# KiCad board mtk64_R_rev2.kicad_pcb (continued)
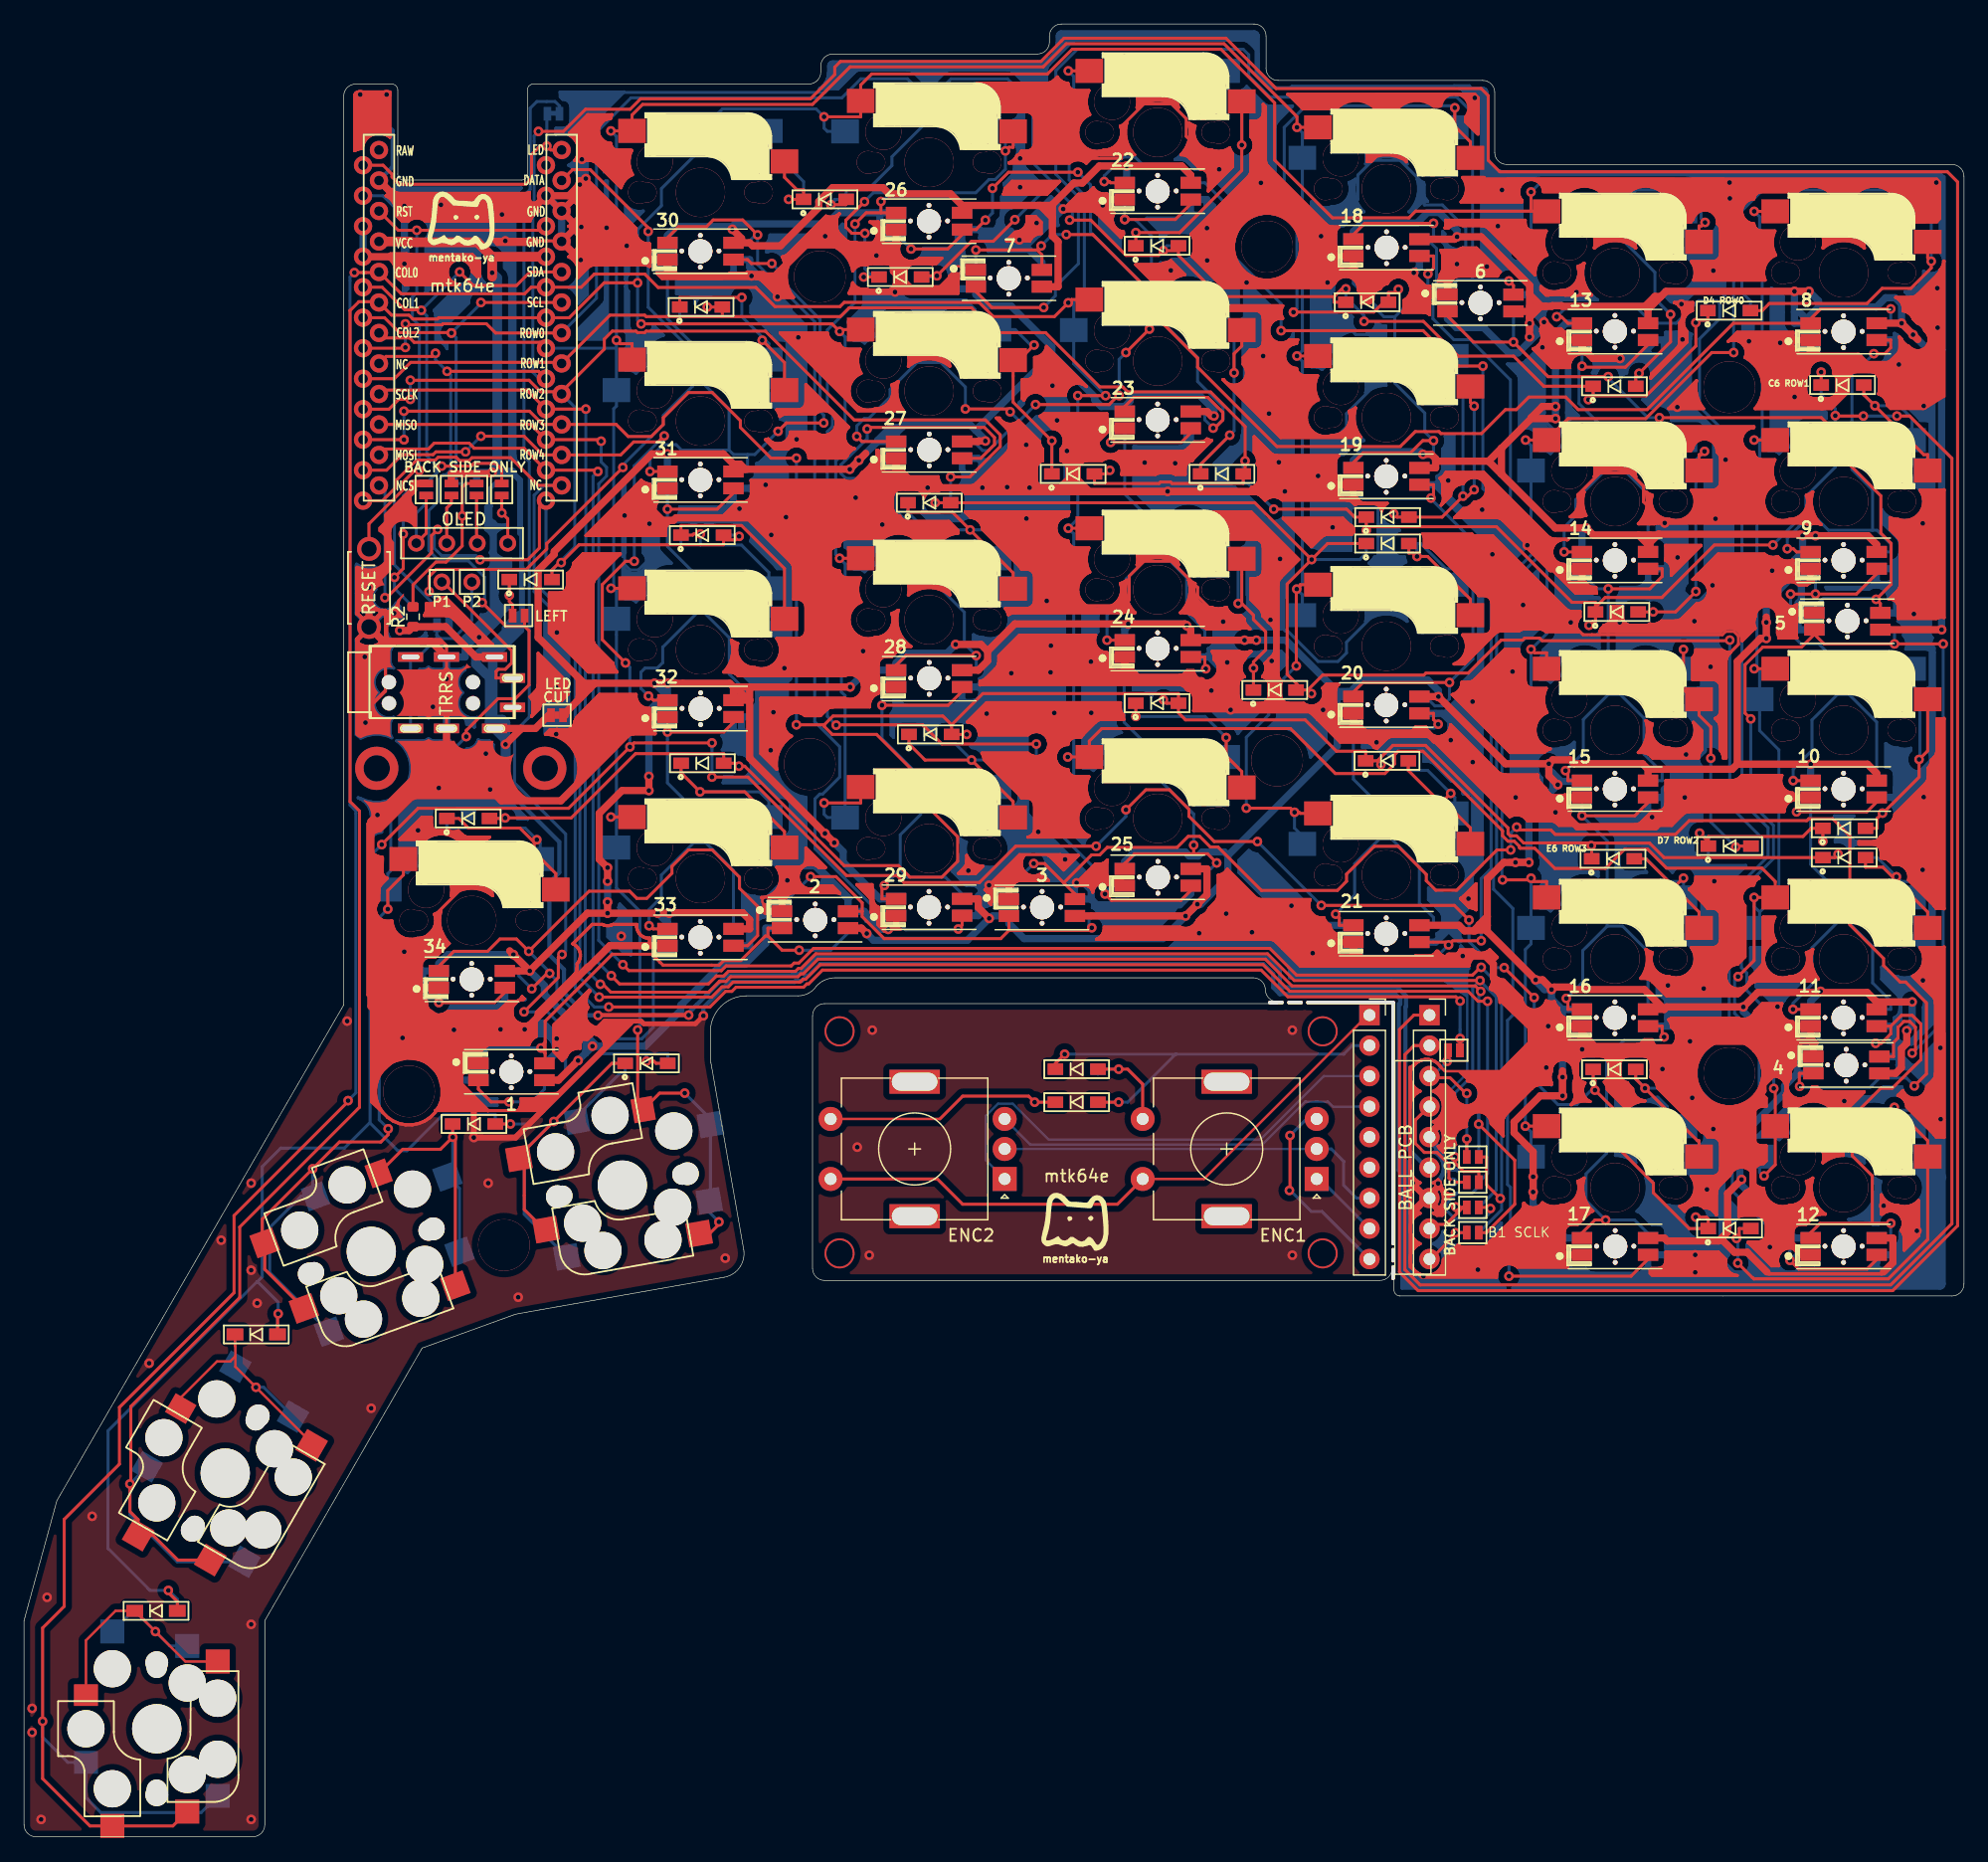
[diagram p0: board, top side]
## Copper pours and planes (outline as drawn; the poured copper is in the pictures) (continued)
GND on Bottom (solid shape): 112.58,128.75 112.68,128.83 112.79,128.89 112.91,128.93 112.99,128.93 113.05,129.05 113.15,129.17 113.26,129.26 113.39,129.33 113.54,129.37 113.58,129.38 113.59,129.4 113.7,129.57 113.85,129.71 114.02,129.82 114.21,129.9 114.41,129.94 114.61,129.94 114.81,129.9 115,129.82 115.17,129.71 115.31,129.57 115.43,129.4 115.5,129.21 115.54,129.01 116.12,129.59 116.05,129.69 115.97,129.88 115.93,130.08 115.93,130.28 115.97,130.48 116.01,130.58 115.97,130.54 115.95,130.54 115.89,130.44 115.8,130.33 115.7,130.24 115.58,130.18 115.45,130.14 115.31,130.13 115.28,130.13 111.74,130.13 111.71,130.13 111.57,130.14 111.52,130.16 111.52,129.7 112.53,128.69
GND on Bottom (solid shape): 29,83.31 29.14,83.45 29.31,83.57 29.5,83.64 29.7,83.68 29.8,83.68 29.8,85.32 29.79,85.36 29.81,85.51 29.85,85.65 29.92,85.78 30.02,85.9 30.05,85.92 30.53,86.4 30.22,86.27 29.67,86.17 29.11,86.17 28.56,86.27 28.05,86.49 27.85,86.62 27.8,86.5 27.85,86.47 28.03,86.47 28.14,86.41 28.4,86.22 28.62,85.98 28.78,85.7 28.89,85.4 28.94,85.15 28.94,85.11 28.95,85.02 28.95,83.23
GND on Bottom (solid shape): 29,83.31 29.14,83.45 29.31,83.57 29.5,83.64 29.7,83.68 29.8,83.68 29.8,85.32 29.79,85.36 29.81,85.51 29.85,85.65 29.92,85.78 30.02,85.9 30.05,85.92 30.53,86.4 30.22,86.27 29.67,86.17 29.11,86.17 28.56,86.27 28.07,86.52 27.82,86.65 27.8,86.55 27.85,86.55 28.14,86.41 28.4,86.22 28.62,85.98 28.78,85.7 28.89,85.4 28.94,85.15 28.94,85.11 28.95,85.02 28.95,83.23
GND on Bottom (solid shape): 70.24,105.57 70.59,105.81 70.8,105.9 70.74,106.25 70.74,106.67 70.82,107.08 70.98,107.47 71.21,107.82 71.51,108.11 71.86,108.35 72.25,108.51 72.66,108.59 73.08,108.59 73.49,108.51 73.56,108.48 72.15,109.89 72.12,109.92 72.03,110.03 71.95,110.17 71.91,110.31 71.9,110.46 71.9,110.49 71.9,112.39 68.51,112.39 68.47,112.39 68.39,112.4 68.39,107.44 68.45,107.41 68.61,107.3 68.76,107.16 68.87,106.99 68.95,106.8 68.99,106.6 68.99,106.53 69.04,106.46 69.12,106.33 69.16,106.19 69.17,106.04 69.17,106 69.17,105.59 69.56,105.59 69.68,105.58 69.8,105.55 69.91,105.49 70.01,105.41 70.04,105.37
GND on Bottom (solid shape): 69.54,97.8 69.57,97.84 69.71,97.96 69.87,98.04 70.05,98.1 70.23,98.12 70.28,98.11 71.35,98.11 71.36,98.13 71.46,98.21 71.57,98.27 71.69,98.3 71.81,98.31 71.88,98.31 72,98.46 72.03,98.49 72.76,99.21 72.79,99.25 72.93,99.37 73.09,99.45 73.27,99.51 73.45,99.52 73.47,99.52 73.32,99.66 73.03,100.1 72.83,100.59 72.72,101.11 72.72,101.64 72.83,102.16 72.83,102.17 72.61,102.02 72.3,101.9 72.34,101.81 72.4,101.52 72.4,101.23 72.34,100.94 72.23,100.67 72.06,100.43 71.86,100.22 71.61,100.06 71.34,99.95 71.06,99.89 70.89,99.89 70.79,99.85 70.49,99.79 70.17,99.79 69.87,99.85 69.58,99.97 69.32,100.14 69.1,100.37 68.93,100.62 68.86,100.77 68.86,97.13
GND on Bottom (solid shape): 51.19,122.12 51.54,122.36 51.75,122.45 51.68,122.8 51.68,123.22 51.77,123.63 51.93,124.02 52.16,124.37 52.46,124.66 52.81,124.9 53.2,125.06 53.27,125.07 52.44,125.89 52.41,125.72 52.33,125.53 52.22,125.36 52.07,125.22 51.9,125.11 51.72,125.03 51.52,124.99 51.31,124.99 51.11,125.03 50.92,125.11 50.75,125.22 50.61,125.36 50.5,125.53 50.42,125.72 50.38,125.92 50.38,126.13 50.38,126.14 50.37,126.17 50.36,126.32 50.36,126.35 50.36,128.74 50.32,128.78 50.21,128.95 50.13,129.14 50.12,129.18 50.12,125.36 50.16,125.32 50.28,125.15 50.36,124.96 50.4,124.76 50.4,124.56 50.36,124.36 50.28,124.17 50.16,124 50.12,123.96 50.12,122.14 50.51,122.14 50.63,122.13 50.75,122.1 50.86,122.04 50.96,121.96 50.99,121.92
GND on Bottom (solid shape): 124.07,85.1 124.27,85.14 124.45,85.14 124.45,85.19 124.44,85.23 124.46,85.42 124.52,85.59 124.6,85.75 124.72,85.9 124.75,85.93 126.44,87.62 126.44,88.21 126.42,88.23 126.38,88.26 126.26,88.4 126.18,88.57 126.12,88.74 126.11,88.93 126.11,88.94 126.05,89.08 126.01,89.28 126.01,89.49 126.05,89.69 126.13,89.87 126.24,90.04 126.39,90.19 126.56,90.3 126.74,90.38 126.94,90.42 127.15,90.42 127.35,90.38 127.54,90.3 127.71,90.19 127.85,90.04 127.96,89.87 128.01,89.76 128.13,89.81 128.33,89.85 128.39,89.85 129.16,90.61 129.16,91.17 129.01,91.02 128.76,90.86 128.49,90.75 128.21,90.69 128.04,90.69 127.94,90.65 127.64,90.59 127.32,90.59 127.02,90.65 126.73,90.77 126.47,90.94 126.25,91.17 126.08,91.42 125.96,91.71 125.9,92.02 125.9,92.33 125.96,92.64 126.04,92.83 123.9,90.7 123.9,85.03
GND on Bottom (solid shape): 138.96,128.47 138.98,128.5 139.1,128.59 139.23,128.66 139.38,128.7 139.52,128.72 139.56,128.72 141.02,128.72 141.05,128.72 141.2,128.7 141.35,128.66 141.48,128.59 141.59,128.5 141.62,128.47 141.68,128.4 141.68,133.51 141.05,134.15 140.98,133.99 140.86,133.82 140.72,133.67 140.55,133.56 140.36,133.48 140.16,133.44 139.96,133.44 139.76,133.48 139.57,133.56 139.4,133.67 139.31,133.76 138.29,133.76 138.42,133.44 138.5,133.03 138.5,132.61 138.42,132.19 138.26,131.8 138.22,131.75 138.39,131.68 138.65,131.51 138.87,131.29 139.04,131.03 139.16,130.74 139.22,130.43 139.22,130.12 139.16,129.81 139.04,129.52 138.87,129.27 138.65,129.04 138.39,128.87 138.1,128.75 137.8,128.69 137.48,128.69 137.18,128.75 137.08,128.79 136.91,128.79 136.64,128.84 136.64,128.43 137.22,127.85 137.29,127.85 137.49,127.81 137.67,127.73 137.84,127.62 137.98,127.48
GND on Bottom (solid shape): 77.83,129.9 77.82,130.02 77.82,131.02 77.83,131.15 77.87,131.26 77.93,131.38 78.01,131.47 78.1,131.55 78.21,131.61 78.33,131.65 78.42,131.65 78.39,131.69 78.31,131.88 78.27,132.08 78.27,132.28 78.31,132.48 78.39,132.67 78.44,132.74 78.29,132.9 78.29,133.75 78.31,133.75 78.31,134 78.29,134 78.29,134.02 78.03,134.02 78.03,134 78.01,134 78.01,133.75 78.03,133.75 78.03,132.9 77.87,132.74 77.85,132.74 77.79,132.64 77.7,132.53 77.6,132.44 77.48,132.38 77.35,132.34 77.21,132.33 77.18,132.33 74.94,132.33 74.94,132.16 74.9,131.96 74.82,131.77 74.71,131.6 74.56,131.46 74.39,131.34 74.21,131.26 74.01,131.22 73.8,131.22 73.6,131.26 73.41,131.34 73.37,131.37 73.37,130.82 73.55,130.65 73.6,130.76 73.68,130.85 73.78,130.93 73.89,130.99 74.01,131.03 74.14,131.04 75.44,131.04 75.56,131.03 75.68,130.99 75.76,131.02 75.96,131.06 76.16,131.06 76.36,131.02 76.55,130.94 76.72,130.83 76.86,130.69 76.98,130.52 77.06,130.33 77.1,130.13 77.1,129.92 77.09,129.88 77.84,129.88
GND on Bottom (solid shape): 158.84,122.35 157.04,124.15 156.9,124.21 156.73,124.32 156.58,124.46 156.47,124.63 156.41,124.78 156.09,125.1 155.95,125.16 155.84,125.23 155.85,125.18 155.84,124.96 155.69,124.8 154.49,124.8 154.49,124.82 154.23,124.82 154.23,124.8 154.21,124.8 154.21,124.57 154.22,124.57 154.42,124.53 154.44,124.53 154.49,124.53 154.49,124.55 155.69,124.55 155.84,124.39 155.85,124.18 155.84,124.05 155.8,123.93 155.74,123.82 155.66,123.72 155.56,123.65 155.45,123.59 155.33,123.55 155.21,123.54 155.16,123.54 155.16,123.44 155.12,123.24 155.04,123.05 154.92,122.88 154.78,122.73 154.61,122.62 154.42,122.54 154.22,122.5 154.16,122.5 153.7,122.04 153.94,122.04 154.06,122.03 154.18,121.99 154.29,121.93 154.39,121.85 154.47,121.76 154.52,121.64 154.56,121.53 154.57,121.4 154.57,120.45 154.56,120.33 154.52,120.21 154.52,120.19 154.7,120.12 154.87,120 154.91,119.96 155.74,119.96 155.78,119.96 155.93,119.95 156.07,119.91 156.2,119.84 156.32,119.74 156.34,119.71 157.82,118.23 157.85,118.21 157.94,118.1 158,117.98 158.46,117.98 158.58,117.97 158.7,117.94 158.81,117.88 158.84,117.86
GND on Bottom (solid shape): 51.19,103.07 51.54,103.31 51.75,103.4 51.68,103.75 51.68,104.17 51.77,104.58 51.93,104.97 52.16,105.32 52.46,105.61 52.81,105.85 53.2,106.01 53.61,106.09 53.93,106.09 53.1,106.92 53.07,106.94 52.98,107.06 52.9,107.19 52.86,107.33 52.85,107.48 52.85,107.52 52.85,109.88 52.81,109.93 52.69,110.1 52.61,110.29 52.57,110.49 52.57,110.69 52.61,110.89 52.69,111.08 52.77,111.19 52.64,111.2 52.52,111.24 52.41,111.3 52.31,111.37 52.23,111.47 52.17,111.58 52.13,111.7 52.12,111.83 52.12,112.69 52.06,112.69 51.86,112.73 51.67,112.81 51.6,112.85 51.6,106.95 51.65,106.91 51.76,106.74 51.84,106.55 51.88,106.35 51.88,106.15 51.84,105.95 51.76,105.76 51.65,105.59 51.5,105.44 51.33,105.33 51.15,105.25 50.95,105.21 50.74,105.21 50.54,105.25 50.35,105.33 50.18,105.44 50.04,105.59 49.93,105.76 49.89,105.84 49.89,104.32 49.9,104.31 49.99,104.19 50.07,104.06 50.11,103.92 50.12,103.77 50.12,103.73 50.12,103.09 50.51,103.09 50.63,103.08 50.75,103.05 50.86,102.99 50.96,102.91 50.99,102.87
GND on Bottom (solid shape): 127.39,115.42 127.74,115.66 127.95,115.75 127.89,116.1 127.89,116.52 127.97,116.93 128.09,117.22 127.9,117.14 127.7,117.1 127.5,117.1 127.3,117.14 127.11,117.22 126.94,117.33 126.8,117.48 126.68,117.65 126.6,117.83 126.56,118.03 126.56,118.24 126.6,118.44 126.66,118.58 126.66,118.7 126.6,118.84 126.56,119.04 126.56,119.25 126.6,119.45 126.66,119.59 126.66,124.34 126.54,124.34 126.5,124.3 126.47,124.27 126.44,124.24 126.13,123.93 126.1,123.9 126.07,123.87 125.17,122.97 125.14,122.94 125,122.82 124.84,122.73 124.66,122.68 124.48,122.66 124.43,122.66 123.76,122.66 123.72,122.66 123.6,122.67 124.35,121.92 124.38,121.9 124.48,121.78 124.55,121.65 124.59,121.51 124.61,121.36 124.6,121.32 124.6,117.25 124.62,117.26 124.81,117.34 125.01,117.38 125.21,117.38 125.41,117.34 125.6,117.26 125.77,117.15 125.91,117.01 126.02,116.84 126.1,116.65 126.14,116.45 126.14,116.38 126.19,116.32 126.27,116.19 126.31,116.04 126.32,115.89 126.32,115.86 126.32,115.44 126.71,115.44 126.83,115.43 126.95,115.4 127.06,115.34 127.16,115.26 127.19,115.22
GND on Bottom (solid shape): 89.29,89.02 89.64,89.26 89.85,89.35 89.78,89.7 89.78,90.12 89.87,90.53 90.03,90.92 90.26,91.27 90.56,91.56 90.91,91.8 91.3,91.96 91.44,91.99 91.15,92.28 91.12,92.3 91.02,92.42 90.95,92.55 90.91,92.69 90.9,92.84 90.9,92.88 90.9,96.23 90.9,96.27 90.91,96.42 90.95,96.56 91.02,96.7 91.12,96.81 91.15,96.84 91.41,97.1 91.38,97.14 90.86,97.14 90.74,97.15 90.62,97.19 90.51,97.25 90.41,97.32 90.33,97.42 90.27,97.53 90.23,97.65 90.22,97.78 90.22,98.64 90.13,98.64 89.93,98.68 89.74,98.76 89.57,98.87 89.43,99.02 89.32,99.19 89.24,99.37 89.2,99.57 89.2,99.78 89.24,99.98 89.32,100.17 89.43,100.34 89.47,100.38 89.47,101.73 89.47,101.77 89.49,101.92 89.53,102.06 89.6,102.19 89.69,102.31 89.71,102.33 89.54,102.29 89.22,102.29 88.92,102.35 88.63,102.47 88.37,102.64 88.22,102.79 88.22,89.98 88.22,89.95 88.22,89.91 88.22,89.04 88.61,89.04 88.73,89.03 88.85,88.99 88.96,88.94 89.06,88.86 89.09,88.82
GND on Bottom (solid shape): outline of 89 points within 126.26,77.12 131.15,86.75
GND on Bottom (solid shape): outline of 85 points within 145.37,115.22 150.15,129
GND on Bottom (solid shape): outline of 93 points within 107.27,107.15 111.63,119.02
GND on Bottom (solid shape): outline of 89 points within 126.32,96.17 131.23,106.23
GND on Bottom (solid shape): outline of 93 points within 116.11,103.46 125.23,116.73
GND on Bottom (solid shape): outline of 100 points within 111.77,101.25 115.25,109.97
GND on Bottom (solid shape): outline of 102 points within 31.32,80.32 41.96,91.37
GND on Bottom (solid shape): outline of 103 points within 34.14,64.39 44.35,70.87
GND on Bottom (solid shape): outline of 93 points within 36.34,98.92 40.55,107.34
GND on Bottom (solid shape): outline of 114 points within 30.36,60.85 39.41,77.12
GND on Bottom (solid shape): outline of 121 points within 31.06,87.86 37.76,98.42
GND on Bottom (solid shape): outline of 114 points within 95.9,132.73 105.68,145.79
GND on Bottom (solid shape): outline of 115 points within 68.65,123.18 79.24,129.12
GND on Bottom (solid shape): outline of 126 points within 107.12,122.22 111.63,138.07
GND on Bottom (solid shape): outline of 142 points within 43.29,127.74 49.98,145.34
GND on Bottom (solid shape): outline of 137 points within 79.49,132.07 86.59,144.4
GND on Bottom (solid shape): outline of 145 points within 130.63,117.84 139.81,125.7
GND on Bottom (solid shape): outline of 173 points within 27.55,91.45 33.54,106.01
GND on Bottom (solid shape): outline of 173 points within 27.55,91.51 33.54,106.07
GND on Bottom (solid shape): outline of 113 points within 66.29,139.37 102.87,150.34
GND on Bottom (solid shape): outline of 199 points within 111.52,74.65 121.48,98.08
GND on Bottom (solid shape): outline of 225 points within 30.54,114.63 41.43,137.59
GND on Bottom (solid shape): outline of 258 points within 54.37,105.5 65.12,131.52
GND on Bottom (solid shape): outline of 303 points within 58.16,74.54 68.93,102.49
GND on Bottom (solid shape): outline of 277 points within 119.59,123.86 159.97,145.64
GND on Bottom (solid shape): outline of 322 points within 95.44,45.71 123.4,78.61
GND on Bottom (solid shape): outline of 435 points within 150.13,67.2 159.14,114.83
GND on Bottom (solid shape): outline of 660 points within 92.42,91.89 105.75,136.53
GND on Bottom (solid shape): outline of 734 points within 72.24,75.75 96.47,122.18
GND on Bottom (solid shape): outline of 1352 points within 124.04,45.71 159.97,117.74
GND on Top, Bottom: -9.58,69.22 63.12,69.17 63.12,-3.1 -9.62,-3.1
GND on Top, Bottom: 113.71,46.19 65.46,46.19 65.46,69.44 113.71,69.44
VCC on Top (solid shape): 40.25,98.68 38.15,98.68 38.15,97.88 40.25,97.88
VCC on Top (solid shape): 40.25,92.73 38.15,92.73 38.15,91.93 40.25,91.93
VCC on Top (solid shape): 40.91,72.63 39.21,72.63 39.21,71.63 40.91,71.63
VCC on Top (solid shape): 44.21,63.53 42.51,63.53 42.51,62.53 44.21,62.53
VCC on Top (solid shape): 59.96,133.28 58.26,133.28 58.26,132.28 59.96,132.28
VCC on Top (solid shape): 59.96,114.23 58.26,114.23 58.26,113.23 59.96,113.23
VCC on Top (solid shape): 59.96,95.18 58.26,95.18 58.26,94.18 59.96,94.18
VCC on Top (solid shape): 59.96,76.13 58.26,76.13 58.26,75.13 59.96,75.13
VCC on Top (solid shape): 69.51,76.19 67.81,76.19 67.81,75.19 69.51,75.19
VCC on Top (solid shape): 79.01,135.78 77.31,135.78 77.31,134.78 79.01,134.78
VCC on Top (solid shape): 79.01,116.73 77.31,116.73 77.31,115.73 79.01,115.73
VCC on Top (solid shape): 79.01,97.68 77.31,97.68 77.31,96.68 79.01,96.68
VCC on Top (solid shape): 79.01,78.63 77.31,78.63 77.31,77.63 79.01,77.63
VCC on Top (solid shape): 85.66,129.62 83.96,129.62 83.96,128.62 85.66,128.62
VCC on Top (solid shape): 88.41,77.21 86.71,77.21 86.71,76.21 88.41,76.21
VCC on Top (solid shape): 98.06,138.28 96.36,138.28 96.36,137.28 98.06,137.28
VCC on Top (solid shape): 98.06,119.23 96.36,119.23 96.36,118.23 98.06,118.23
VCC on Top (solid shape): 98.06,100.18 96.36,100.18 96.36,99.18 98.06,99.18
VCC on Top (solid shape): 98.06,81.13 96.36,81.13 96.36,80.13 98.06,80.13
VCC on Top (solid shape): 117.11,133.58 115.41,133.58 115.41,132.58 117.11,132.58
VCC on Top (solid shape): 117.11,114.53 115.41,114.53 115.41,113.53 117.11,113.53
VCC on Top (solid shape): 117.11,95.48 115.41,95.48 115.41,94.48 117.11,94.48
VCC on Top (solid shape): 117.11,76.43 115.41,76.43 115.41,75.43 117.11,75.43
VCC on Top (solid shape): 124.95,127.56 123.25,127.56 123.25,126.56 124.95,126.56
VCC on Top (solid shape): 136.16,126.58 134.46,126.58 134.46,125.58 136.16,125.58
VCC on Top (solid shape): 136.16,107.53 134.46,107.53 134.46,106.53 136.16,106.53
VCC on Top (solid shape): 136.16,88.48 134.46,88.48 134.46,87.48 136.16,87.48
VCC on Top (solid shape): 136.16,69.43 134.46,69.43 134.46,68.43 136.16,68.43
VCC on Top (solid shape): 136.16,50.38 134.46,50.38 134.46,49.38 136.16,49.38
VCC on Top (solid shape): 155.21,126.58 153.51,126.58 153.51,125.58 155.21,125.58
VCC on Top (solid shape): 155.21,107.53 153.51,107.53 153.51,106.53 155.21,106.53
VCC on Top (solid shape): 155.21,88.48 153.51,88.48 153.51,87.48 155.21,87.48
VCC on Top (solid shape): 155.21,69.43 153.51,69.43 153.51,68.43 155.21,68.43
VCC on Top (solid shape): 155.21,50.38 153.51,50.38 153.51,49.38 155.21,49.38
VCC on Top (solid shape): 155.44,64.09 153.74,64.09 153.74,63.09 155.44,63.09
VCC on Top (solid shape): 155.52,101.05 153.82,101.05 153.82,100.05 155.52,100.05
VCC on Bottom (solid shape): 35.41,72.63 33.71,72.63 33.71,71.63 35.41,71.63
VCC on Bottom (solid shape): 38.71,63.53 37.01,63.53 37.01,62.53 38.71,62.53
VCC on Bottom (solid shape): 40.25,98.68 38.15,98.68 38.15,97.88 40.25,97.88
VCC on Bottom (solid shape): 40.25,92.73 38.15,92.73 38.15,91.93 40.25,91.93
VCC on Bottom (solid shape): 54.46,133.28 52.76,133.28 52.76,132.28 54.46,132.28
VCC on Bottom (solid shape): 54.46,114.23 52.76,114.23 52.76,113.23 54.46,113.23
VCC on Bottom (solid shape): 54.46,95.18 52.76,95.18 52.76,94.18 54.46,94.18
VCC on Bottom (solid shape): 54.46,76.13 52.76,76.13 52.76,75.13 54.46,75.13
VCC on Bottom (solid shape): 64.01,76.19 62.31,76.19 62.31,75.19 64.01,75.19
VCC on Bottom (solid shape): 73.51,135.78 71.81,135.78 71.81,134.78 73.51,134.78
VCC on Bottom (solid shape): 73.51,116.73 71.81,116.73 71.81,115.73 73.51,115.73
VCC on Bottom (solid shape): 73.51,97.68 71.81,97.68 71.81,96.68 73.51,96.68
VCC on Bottom (solid shape): 73.51,78.63 71.81,78.63 71.81,77.63 73.51,77.63
VCC on Bottom (solid shape): 80.16,129.62 78.46,129.62 78.46,128.62 80.16,128.62
VCC on Bottom (solid shape): 82.91,77.21 81.21,77.21 81.21,76.21 82.91,76.21
VCC on Bottom (solid shape): 92.56,138.28 90.86,138.28 90.86,137.28 92.56,137.28
VCC on Bottom (solid shape): 92.56,119.23 90.86,119.23 90.86,118.23 92.56,118.23
VCC on Bottom (solid shape): 92.56,100.18 90.86,100.18 90.86,99.18 92.56,99.18
VCC on Bottom (solid shape): 92.56,81.13 90.86,81.13 90.86,80.13 92.56,80.13
VCC on Bottom (solid shape): 111.61,133.58 109.91,133.58 109.91,132.58 111.61,132.58
VCC on Bottom (solid shape): 111.61,114.53 109.91,114.53 109.91,113.53 111.61,113.53
VCC on Bottom (solid shape): 111.61,95.48 109.91,95.48 109.91,94.48 111.61,94.48
VCC on Bottom (solid shape): 111.61,76.43 109.91,76.43 109.91,75.43 111.61,75.43
VCC on Bottom (solid shape): 119.45,127.56 117.75,127.56 117.75,126.56 119.45,126.56
VCC on Bottom (solid shape): 130.66,126.58 128.96,126.58 128.96,125.58 130.66,125.58
VCC on Bottom (solid shape): 130.66,107.53 128.96,107.53 128.96,106.53 130.66,106.53
VCC on Bottom (solid shape): 130.66,88.48 128.96,88.48 128.96,87.48 130.66,87.48
VCC on Bottom (solid shape): 130.66,69.43 128.96,69.43 128.96,68.43 130.66,68.43
VCC on Bottom (solid shape): 130.66,50.38 128.96,50.38 128.96,49.38 130.66,49.38
VCC on Bottom (solid shape): 149.71,126.58 148.01,126.58 148.01,125.58 149.71,125.58
VCC on Bottom (solid shape): 149.71,107.53 148.01,107.53 148.01,106.53 149.71,106.53
VCC on Bottom (solid shape): 149.71,88.48 148.01,88.48 148.01,87.48 149.71,87.48
VCC on Bottom (solid shape): 149.71,69.43 148.01,69.43 148.01,68.43 149.71,68.43
VCC on Bottom (solid shape): 149.71,50.38 148.01,50.38 148.01,49.38 149.71,49.38
VCC on Bottom (solid shape): 149.94,64.09 148.24,64.09 148.24,63.09 149.94,63.09
VCC on Bottom (solid shape): 150.02,101.05 148.32,101.05 148.32,100.05 150.02,100.05
VCC on Bottom (solid shape): 41.4,100.5 39.5,98.7 39,98.7 39,99 41.4,101.3
C6_ROW1 on Top (solid shape): 58.84,127.9 57.54,127.9 57.54,126.95 58.84,126.95
C6_ROW1 on Top (solid shape): 89.84,114 88.53,114 88.53,113.05 89.84,113.05
C6_ROW1 on Top (solid shape): 102.24,114 100.94,114 100.94,113.05 102.24,113.05
C6_ROW1 on Top (solid shape): 112.49,110.4 111.19,110.4 111.19,109.45 112.49,109.45
C6_ROW1 on Top (solid shape): 131.59,102.5 130.28,102.5 130.28,101.55 131.59,101.55
C6_ROW1 on Top (solid shape): 150.39,121.4 149.09,121.4 149.09,120.45 150.39,120.45
C6_ROW1 on Bottom (solid shape): 58.84,127.9 57.54,127.9 57.54,126.95 58.84,126.95
C6_ROW1 on Bottom (solid shape): 89.84,114 88.53,114 88.53,113.05 89.84,113.05
C6_ROW1 on Bottom (solid shape): 102.24,114 100.94,114 100.94,113.05 102.24,113.05
C6_ROW1 on Bottom (solid shape): 112.49,110.4 111.19,110.4 111.19,109.45 112.49,109.45
C6_ROW1 on Bottom (solid shape): 131.59,102.5 130.28,102.5 130.28,101.55 131.59,101.55
C6_ROW1 on Bottom (solid shape): 150.39,121.4 149.09,121.4 149.09,120.45 150.39,120.45
F7_COL3 on Top (solid shape): 32.76,82.45 30.46,82.45 30.46,80.45 32.76,80.45
F7_COL3 on Bottom (solid shape): 31.46,79.91 29.16,79.91 29.16,77.91 31.46,77.91
LED on Top (solid shape): 38.71,63.53 37.01,63.53 37.01,62.53 38.71,62.53
LED on Bottom (solid shape): 44.21,63.53 42.51,63.53 42.51,62.53 44.21,62.53

Small or netless copper shapes (teardrops, artwork), in the pictures only: 211 on Top, 221 on Bottom

## Text on the board
B.Silkscreen: B5 ENC | B1 SCLK | B3 MISO | B6 NCS | B2 MOSI | ENCODER | TRACK BALL | mtk64e
User.Eco2: VCC | B2 MOSI | B3 MISO | F7 COL3 | C6 ROW1 | B5 ENC | B6 NCS
F.Silkscreen: E6 ROW3 | D7 ROW2 | D4 ROW0 | C6 ROW1 | B1 SCLK | mtk64e
